# Altium PCB EA08AI测试板.PcbDoc (part 1 of 2) (continued)
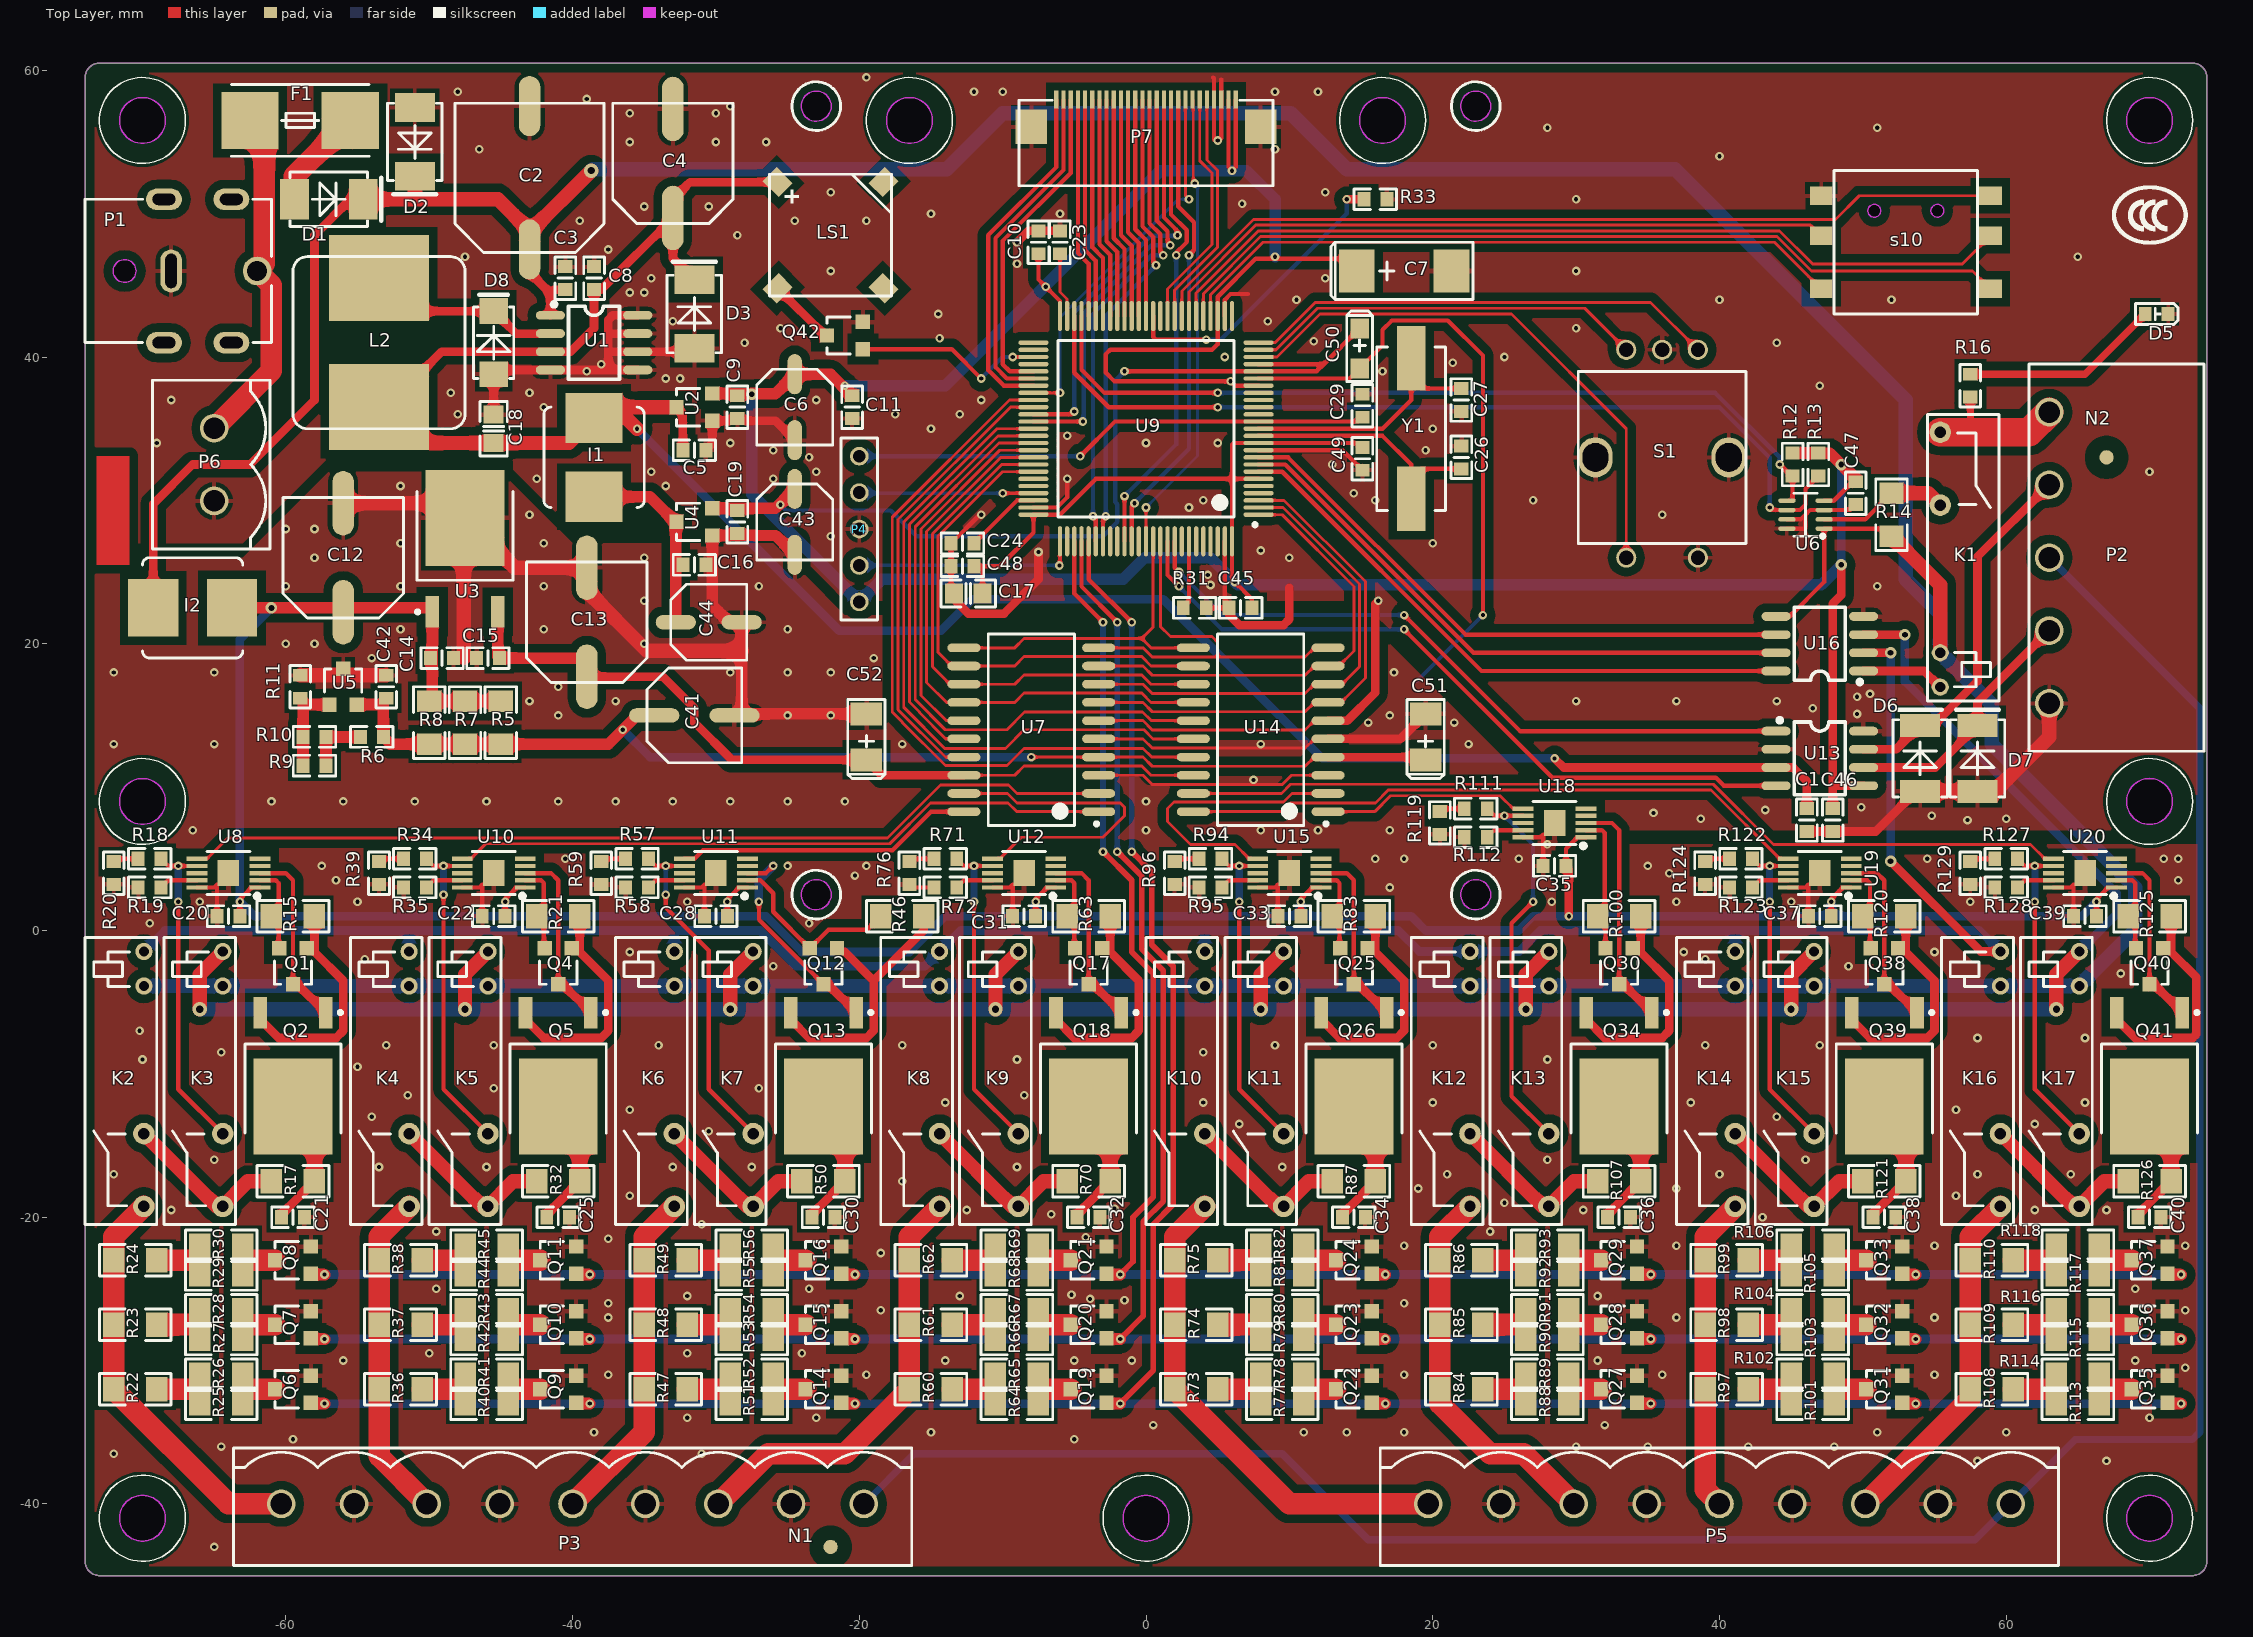
[diagram p0: Top Layer view]
## Components (designator, comment, footprint, x,y, rotation, side; value= is the part's Value field where it differs from the comment) (continued)
R106 "NC" R-1206 46.5,-22 r180 top
R107 "15" R-1206 33,-17.5 r180 top
R108 "0" R-1206 59,-32 r180 top
R109 "0" R-1206 59,-27.5 r180 top
R110 "0" R-1206 59,-23 r180 top
R111 "4.99K" R-0603 23,8.5 r180 top
R112 "1K" R-0603 23,6.5 r180 top
R113 "100" R-1206 65,-33 r180 top
R114 "NC" R-1206 65,-31 r180 top
R115 "100" R-1206 65,-28.5 r180 top
R116 "NC" R-1206 65,-26.5 r180 top
R117 "100" R-1206 65,-24 r180 top
R118 "NC" R-1206 65,-22 r180 top
R119 "10R" R-0603 20.5,7.5 r270 top
R120 "15" R-1206 51.5,1 r0 top
R121 "15" R-1206 51.5,-17.5 r180 top
R122 "4.99K" R-0603 41.5,5 r180 top
R123 "1K" R-0603 41.5,3 r180 top
R124 "10R" R-0603 39,4 r270 top
R125 "15" R-1206 70,1 r0 top
R126 "15" R-1206 70,-17.5 r180 top
R127 "4.99K" R-0603 60,5 r180 top
R128 "1K" R-0603 60,3 r180 top
R129 "10R" R-0603 57.5,4 r270 top
S1 "EC11M" EC11M 36,33 r180 top
s10 "TS-007" TS-007 53,48 r0 top
U1 "XL1509-5.0" SOP-8-m -38.5,41 r270 top
U2 "ME6206A33M3G" SOT-23 -31.5,36.5 r0 top
U3 "78M12" TO-252 -47.5,25.5 r0 top
U4 "ME6206A33M3G" SOT-23 -31.5,28.5 r0 top
U5 "TL431" SOT-23 -56,17 r270 top
U6 "INA219AIDCNR" SOT-23-8-N 46,29 r0 top
U7 "TLC7226IDW" SOP-20 -8,14 r90 top
U8 "XTR111AIDGQR" MSOP-10(11)-M -64,4 r90 top
U9 "STM32F407VET6" LQFP100 0,35 r180 top
U10 "XTR111AIDGQR" MSOP-10(11)-M -45.5,4 r90 top
U11 "XTR111AIDGQR" MSOP-10(11)-M -30,4 r90 top
U12 "XTR111AIDGQR" MSOP-10(11)-M -8.5,4 r90 top
U13 "TJA1051T/3" SOP-8-M 47,12 r270 top
U14 "TLC7226IDW" SOP-20 8,14 r90 top
U15 "XTR111AIDGQR" MSOP-10(11)-M 10,4 r90 top
U16 "ULN2001D" SOP-8-M 47,20 r90 top
U18 "XTR111AIDGQR" MSOP-10(11)-M 28.5,7.5 r90 top
U19 "XTR111AIDGQR" MSOP-10(11)-M 47,4 r90 top
U20 "XTR111AIDGQR" MSOP-10(11)-M 65.5,4 r90 top
Y1 "8M" HC-49SMD 18.5,35 r270 top

## Footprints (in the part's own frame and the unit in brackets; to place one, negate y for a bottom-side part, rotate by r counter-clockwise, add the part's x,y. Pads: shape width x height; smd on the part's side, far side on the other; paste and mask are expansions set on the pad)
C-0603 [mm]
  rect 0.9x1 smd: 1(-0.8,0) 2(0.8,0)
  silkscreen extent -1.48,-0.72 1.48,0.72, body extent -0.8,-0.4 0.8,0.4, height 0.6
C-0805 [mm]
  rect 1.25x1.4 smd: 1(-1,0) 2(1,0)
  silkscreen extent -1.9,-0.95 1.9,0.95, body extent -1,-0.6 1,0.6, height 0.95
C-3216 [mm]
  rect 1.4x1.3 smd: 1(1.4,0) 2(-1.4,0)
  silkscreen extent -2.3,-0.9 2.6,0.9, body extent -1.6,-0.8 1.6,0.8, height 1.61
C-3528 [mm]
  rect 1.6x2.2 smd: 1(1.6,0) 2(-1.6,0)
  silkscreen extent -2.6,-1.3 2.9,1.3, body extent -1.75,-1.4 1.75,1.4, height 1.91
C-7343 [mm]
  rect 2.5x3 smd: 1(3.3,0) 2(-3.3,0)
  silkscreen extent -4.8,-2 5.1,2, body extent -3.65,-2.15 3.65,2.15, height 2.8
CDRH74R [mm]
  rect 4x3.5 smd: 1(0,2.75) 2(0,-2.75)
  silkscreen extent -3.5,-3.5 3.5,3.5, body extent -3.5,-3.5 3.56,3.51, height 4.1
CDRH127R [mm]
  rect 6x7 smd: 1(-4.5,0) 2(4.5,0)
  silkscreen extent -6,-6 6,6, body extent -6,-6 6,6, height 7
DC-007B [mm]
  round 2 / inner round 2 / far side round 2.5 hole 1.4: 1(0,-12)
  oval 3x1.5 / inner oval 3x2 / far side oval 3.5x2 hole 0.8 slot 2.4 at 0 deg: 2(0,-6)
  oval 1.5x2.5 / inner oval 1.5x2.5 / far side oval 2x3 hole 0.8 slot 1.6 at 90 deg: 3(-5,-5.5) 3(-5,-10.2) 3(5,-5.5) 3(5,-10.2)
  Keep-Out Layer circle w0.1: c0,-2.75 r0.8
  Keep-Out Layer board cut-out: 0,-3.55 -0.306,-3.489 -0.566,-3.316 -0.739,-3.056 -0.8,-2.75 -0.8,-2.75 -0.739,-2.444 -0.566,-2.184 -0.306,-2.011 0,-1.95 0,-1.95 0.306,-2.011 0.566,-2.184 0.739,-2.444 0.8,-2.75 0.8,-2.75 0.739,-3.056 0.566,-3.316 0.306,-3.489 0,-3.55
  silkscreen extent -5,-13 5,0, body extent -5,-13 5,0, height 10
EC11M [mm]
  round 1.4 / inner round 1.4 / far side round 1.8 hole 1: 1(0,-7.5) 2(-2.5,-7.5) 3(2.5,-7.5) 4(2.5,7) 5(-2.5,7)
  oval 2.4x2.8 / inner oval 2.4x2.8 / far side oval 2.8x3.2 hole 1.8 slot 2 at 90 deg: 6(-4.65,0) 6(4.65,0)
  silkscreen extent -5.85,-6 5.85,6
FPC-0.5mm_26P下接翻盖 [mm]
  rect 0.3x1.25 smd: 1(-6.25,-0.95) 2(-5.75,-0.95) 3(-5.25,-0.95) 4(-4.75,-0.95) 5(-4.25,-0.95) 6(-3.75,-0.95) 7(-3.25,-0.95) 8(-2.75,-0.95) 9(-2.25,-0.95) 10(-1.75,-0.95) 11(-1.25,-0.95) 12(-0.75,-0.95) 13(-0.25,-0.95) 14(0.25,-0.95) 15(0.75,-0.95) 16(1.25,-0.95) 17(1.75,-0.95) 18(2.25,-0.95) 19(2.75,-0.95) 20(3.25,-0.95) 21(3.75,-0.95) 22(4.25,-0.95) 23(4.75,-0.95) 24(5.25,-0.95) 25(5.75,-0.95) 26(6.25,-0.95)
  rect 2.2x2.4 smd: 27(8,0.95) 28(-8,0.95)
  silkscreen extent -8.85,-0.91 8.85,5.05
FUSE-1808保险丝座 [mm]
  rect 4x4 smd: 1(-3.5,0) 2(3.5,0)
  silkscreen extent -4.8,-2.5 4.8,2.5, body extent -3,-1.3 3,1.3, height 2.6
HC-49SMD [mm]
  rect 4.5x2 smd: 1(-4.9,0) 2(4.9,0)
  silkscreen extent -5.7,-2.4 5.7,2.4, body extent -6.7,-2.46 6.7,2.44, height 4
HDR1X5 [mm] "Connector; Header; 5 Position"
  round 1.3 / inner round 1.6 / far side round 1.6 hole 0.9: 1(-5.08,0) 2(-2.54,0) 3(0,0) 4(2.54,0) 5(5.08,0)
  silkscreen extent -6.35,-1.27 6.35,1.27, body extent -6.35,-1.27 6.35,1.27, height 10.12
HF49FD-D24-1H11 [mm]
  round 1.2 / inner round 1.6 / far side round 1.6 hole 0.7: 1(-9.03,1.6) 2(-6.63,1.6)
  round 1.5 / inner round 2 / far side round 2 hole 0.8: 3(3.67,1.6) 4(8.75,1.6)
  silkscreen extent -10,-2.5 10,2.5, body extent -10,-2.5 10,2.5, height 12.7
KF2EDGVC-5.08-2P [mm]
  round 2 / inner round 3 / far side round 3 hole 1.5: 1(-2.54,0) 2(2.54,0)
  silkscreen extent -5.88,-4.3 5.88,3.9, body extent -5.7,-4.7 5.7,3.8, height 12.01
KF2EDGVC-5.08-5P弯针 [mm]
  round 2 / inner round 3 / far side round 3 hole 1.5: 1(-10.16,0) 2(-5.08,0) 3(0,0) 4(5.08,0) 5(10.16,0)
  silkscreen extent -13.5,-10.8 13.5,1.4, body extent -13.7,-10.6 13.7,1.4, height 8.6
KF2EDGVC-5.08-9P [mm]
  round 2 / inner round 3 / far side round 3 hole 1.5: 1(-20.32,0) 2(-15.24,0) 3(-10.16,0) 4(-5.08,0) 5(0,0) 6(5.08,0) 7(10.16,0) 8(15.24,0) 9(20.32,0)
  silkscreen extent -23.66,-4.3 23.66,3.9, body extent -23.86,-4.7 23.86,3.9, height 12
LED-0603-GREEN [mm]
  rect 0.9x1 smd: 1(0.8,0) 2(-0.8,0)
  silkscreen extent -1.48,-0.72 1.48,0.72, body extent -0.81,-0.4 0.81,0.4, height 0.6
LQFP100 [mm]
  oval 2.1x0.3 smd: 1(-7.854,6) 2(-7.854,5.5) 3(-7.854,5) 4(-7.854,4.5) 5(-7.854,4) 6(-7.854,3.5) 7(-7.854,3) 8(-7.854,2.5) 9(-7.854,2) 10(-7.854,1.5) 11(-7.854,1) 12(-7.854,0.5) 13(-7.854,0) 14(-7.854,-0.5) 15(-7.854,-1) 16(-7.854,-1.5) 17(-7.854,-2) 18(-7.854,-2.5) 19(-7.854,-3) 20(-7.854,-3.5) 21(-7.854,-4) 22(-7.854,-4.5) 23(-7.854,-5) 24(-7.854,-5.5) 25(-7.854,-6) 51(7.854,-6) 52(7.854,-5.5) 53(7.854,-5) 54(7.854,-4.5) 55(7.854,-4) 56(7.854,-3.5) 57(7.854,-3) 58(7.854,-2.5) 59(7.854,-2) 60(7.854,-1.5) 61(7.854,-1) 62(7.854,-0.5) 63(7.854,0) 64(7.854,0.5) 65(7.854,1) 66(7.854,1.5) 67(7.854,2) 68(7.854,2.5) 69(7.854,3) 70(7.854,3.5) 71(7.854,4) 72(7.854,4.5) 73(7.854,5) 74(7.854,5.5) 75(7.854,6)
  oval 0.3x2.1 smd: 26(-6,-7.854) 27(-5.5,-7.854) 28(-5,-7.854) 29(-4.5,-7.854) 30(-4,-7.854) 31(-3.5,-7.854) 32(-3,-7.854) 33(-2.5,-7.854) 34(-2,-7.854) 35(-1.5,-7.854) 36(-1,-7.854) 37(-0.5,-7.854) 38(0,-7.854) 39(0.5,-7.854) 40(1,-7.854) 41(1.5,-7.854) 42(2,-7.854) 43(2.5,-7.854) 44(3,-7.854) 45(3.5,-7.854) 46(4,-7.854) 47(4.5,-7.854) 48(5,-7.854) 49(5.5,-7.854) 50(6,-7.854) 76(6,7.854) 77(5.5,7.854) 78(5,7.854) 79(4.5,7.854) 80(4,7.854) 81(3.5,7.854) 82(3,7.854) 83(2.5,7.854) 84(2,7.854) 85(1.5,7.854) 86(1,7.854) 87(0.5,7.854) 88(0,7.854) 89(-0.5,7.854) 90(-1,7.854) 91(-1.5,7.854) 92(-2,7.854) 93(-2.5,7.854) 94(-3,7.854) 95(-3.5,7.854) 96(-4,7.854) 97(-4.5,7.854) 98(-5,7.854) 99(-5.5,7.854) 100(-6,7.854)
  silkscreen extent -7.73,-6.15 6.15,6.82, body extent -8,-8 8,8, height 1.6
MARK-1mm-3mm [mm]
  round 1 smd paste-0.6 mask+1: 1(0,0)
  Top Layer pour cut-out: -1.5,0 -1.386,-0.574 -1.061,-1.061 -0.574,-1.386 0,-1.5 0,-1.5 0.574,-1.386 1.061,-1.061 1.386,-0.574 1.5,0 1.5,0 1.386,0.574 1.061,1.061 0.574,1.386 0,1.5 0,1.5 -0.574,1.386 -1.061,1.061 -1.386,0.574 -1.5,0
MSOP-10(11)-M [mm]
  rect 0.3x1.45 smd: 1(-1,-2.2) 2(-0.5,-2.2) 3(0,-2.2) 4(0.5,-2.2) 5(1,-2.2) 6(1,2.2) 7(0.5,2.2) 8(0,2.2) 9(-0.5,2.2) 10(-1,2.2)
  rect 1.8x1.5 smd: 11(0,0)
  silkscreen extent -1.9,-2.3 1.5,1.5, body extent -1.5,-2.51 1.5,2.51, height 1.05
R-0603 [mm]
  rect 0.9x1 smd: 1(-0.8,0) 2(0.8,0)
  silkscreen extent -1.48,-0.72 1.48,0.72, body extent -0.8,-0.4 0.8,0.4, height 0.45
R-1206 [mm]
  rect 1.5x1.7 smd: 1(-1.5,0) 2(1.5,0)
  silkscreen extent -2.5,-1.1 2.5,1.1, body extent -1.6,-0.8 1.6,0.8, height 0.6
SMA [mm]
  rect 1.8x2 smd: 1(2.2,0) 2(-2.2,0)
  silkscreen extent -3.35,-1.4 2.5,1.4, body extent -2.75,-1.4 2.75,1.4, height 2.6
SMB [mm]
  rect 2x2.8 smd: 1(2.4,0) 2(-2.4,0)
  silkscreen extent -3.65,-1.9 2.7,1.9, body extent -2.75,-1.95 2.75,1.95, height 2.45
SMB-N [mm]
  rect 1.6x2.8 smd: 1(2.3,0) 2(-2.3,0)
  silkscreen extent -3.4,-1.9 2.7,1.9, body extent -2.75,-1.95 2.75,1.95, height 2.45
SOP-8-m [mil]
  oval 24x80 smd: 1(-75,-120) 2(-25,-120) 3(25,-120) 4(75,-120) 5(75,120) 6(25,120) 7(-25,120) 8(-75,120)
  silkscreen extent -111,-116 100,70, body extent -96,-118 96,118, height 67
SOP-8-M [mil]
  oval 24x80 smd: 1(-75,-120) 2(-25,-120) 3(25,-120) 4(75,-120) 5(75,120) 6(25,120) 7(-25,120) 8(-75,120)
  silkscreen extent -111,-116 100,70, body extent -96,-118 96,118, height 67
SOP-20 [mm]
  oval 0.6x2.3 smd: 1(-5.715,-4.7) 2(-4.445,-4.7) 3(-3.175,-4.7) 4(-1.905,-4.7) 5(-0.635,-4.7) 6(0.635,-4.7) 7(1.905,-4.7) 8(3.175,-4.7) 9(4.445,-4.7) 10(5.715,-4.7) 11(5.715,4.7) 12(4.445,4.7) 13(3.175,4.7) 14(1.905,4.7) 15(0.635,4.7) 16(-0.635,4.7) 17(-1.905,4.7) 18(-3.175,4.7) 19(-4.445,4.7) 20(-5.715,4.7)
  silkscreen extent -6.69,-4.67 6.68,3, body extent -6.5,-5.17 6.5,5.17, height 2.8
SOT-23 [mm]
  rect 1x1 smd: 1(1.25,-0.95) 2(1.25,0.95) 3(-1.25,0)
  silkscreen extent -1.25,-1.3 0.38,1.3, body extent -1.4,-1.45 1.4,1.45, height 1.2
SOT-23-8-N [mm]
  oval 1.2x0.32 smd: 1(1.3,-0.975) 2(1.3,-0.325) 3(1.3,0.325) 4(1.3,0.975) 5(-1.3,0.975) 6(-1.3,0.325) 7(-1.3,-0.325) 8(-1.3,-0.975)
  silkscreen extent -0.8,-1.6 1.3,1.5, body extent -1.4,-1.47 1.4,1.47, height 1.2
TO-252 [mm]
  rect 0.95x2.2 smd: 1(-2.28,-3.275) 3(2.28,-3.275)
  rect 5.5x6.7 smd: 2(0,3.275)
  silkscreen extent -3.43,-3.4 3.35,5.13, body extent -3.27,-3.77 3.27,6.16, height 2.39
TS-007 [mm]
  rect 1.6x1.3 smd: 1(-5.9,3.25) 2(-5.9,0.45) 3(-5.9,-3.25) 4(5.9,-3.25) 5(5.9,0.45) 6(5.9,3.25)
  Keep-Out Layer circle w0.1: c-2.2,2.2 r0.45
  Keep-Out Layer circle w0.1: c2.2,2.2 r0.45
  Keep-Out Layer board cut-out: -2.2,1.75 -2.372,1.784 -2.518,1.882 -2.616,2.028 -2.65,2.2 -2.65,2.2 -2.616,2.372 -2.518,2.518 -2.372,2.616 -2.2,2.65 -2.2,2.65 -2.028,2.616 -1.882,2.518 -1.784,2.372 -1.75,2.2 -1.75,2.2 -1.784,2.028 -1.882,1.882 -2.028,1.784 -2.2,1.75
  Keep-Out Layer board cut-out: 2.2,1.75 2.028,1.784 1.882,1.882 1.784,2.028 1.75,2.2 1.75,2.2 1.784,2.372 1.882,2.518 2.028,2.616 2.2,2.65 2.2,2.65 2.372,2.616 2.518,2.518 2.616,2.372 2.65,2.2 2.65,2.2 2.616,2.028 2.518,1.882 2.372,1.784 2.2,1.75
  silkscreen extent -5,-5 5,5
"蜂鸣器 YH-8503-A" [mm]
  rect 1.6x1.4 smd rot 45: 1(-3.7,-3.7) 3(3.7,3.7)
  rect 1.6x1.4 smd rot 135: 2(3.7,-3.7) 4(-3.7,3.7)
  silkscreen extent -4.25,-4.25 4.25,4.25, body extent -4.25,-4.25 4.25,4.25, height 3
贴片固态电容5*5.3 [mm]
  oval 2.8x1 smd: 1(-2.3,0) 2(2.3,0)
  silkscreen extent -2.65,-2.65 2.65,2.65, body extent -2.95,-2.65 2.95,2.65, height 5.42
贴片固态电容6.3*7.7 [mm]
  oval 3.5x1 smd: 1(-2.8,0) 2(2.8,0)
  silkscreen extent -3.3,-3.3 3.3,3.3, body extent -3.5,-3.3 3.5,3.3, height 7.71
贴片固态电容8*10-M [mm]
  oval 4.5x1.5 smd: 1(-3.8,0) 2(3.8,0)
  silkscreen extent -4.2,-4.2 4.2,4.2, body extent -4.95,-4.15 4.95,4.15, height 10.21
贴片固态电容10*10 [mm]
  oval 4.2x1.5 smd: 1(-5,0) 2(5,0)
  silkscreen extent -5.2,-5.2 5.2,5.2, body extent -5.8,-5.15 5.8,5.15, height 10.21

## Part data
C1 C3 C5 C8 C9 C10 C11 C14 C15 C16 C17 C18 C19 C20 C22 C28 C31 C33 C35 C37 C39 C42 C45 C46 C47 C48 C49: library part Cap, "Capacitor"
C2 C12: library part "Cap Pol1", "电解电容"
C4 C6 C7 C13 C41 C43 C44 C50 C51 C52: library part "Cap Pol1", "Polarized Capacitor (Radial)"
C21 C23 C24 C25 C26 C27 C29 C30 C32 C34 C36 C38 C40: library part Cap-0603, "0805"
D1: "SMB"
D2 D3 D6 D7: library part TVS-1, "SMB"
D5: library part LED-0603-Blue
D8: library part SS14, "SMA"
F1: library part "Fuse 1", "Fuse"
I1 I2 L2: library part Inductance3
LS1: library part Bell, "Electrical Bell"
N1 N2: library part 无引脚
P1: library part DC-007B
P2 P4: library part "Header 5", "Header, 5-Pin"
P3 P5: library part "Header 9", "Header, 9-Pin"
P6: library part "Header 2", "Header, 2-Pin"
P7: library part "Header 28", "Header, 28-Pin"
Q1 Q4 Q12 Q17 Q25 Q30 Q38 Q40: library part S8550, "PNP SOT-23"
Q2 Q5 Q13 Q18 Q26 Q34 Q39 Q41: library part AO3401, "SOT-23"
Q6 Q7 Q8 Q9 Q10 Q11 Q14 Q15 Q16 Q19 Q20 Q21 Q22 Q23 Q24 Q27 Q28 Q29 Q31 Q32 Q33 Q35 Q36 Q37: "SOT-23"
R5 R6 R7 R8 R9 R10 R11 R12 R13 R14 R15 R16 R17 R18 R19 R20 R21 R22 R23 R24 R25 R26 R27 R28 R29 R30 R31 R32 R33 R34 R35 R36 R37 R38 R39 R40 R41 R42 R43 R44 R45 R46 R47 R48 R49 R50 R51 R52 R53 R54 R55 R56 R57 R58 R59 R60 R61 R62 R63 R64 R65 R66 R67 R68 R69 R70 R71 R72 R73 R74 R75 R76 R77 R78 R79 R80 R81 R82 R83 R84 R85 R86 R87 R88 R89 R90 R91 R92 R93 R94 R95 R96 R97 R98 R99 R100 R101 R102 R103 R104 R105 R106 R107 R108 R109 R110 R111 R112 R113 R114 R115 R116 R117 R118 R119 R120 R121 R122 R123 R124 R125 R126 R127 R128 R129: library part Res2-0603, "0603"
s10: "五向开关"
U1: library part XL1509-ADJ, "开关电源 SOP-8"
U2 U4: "LDO稳压 SOT-23"
U3: library part 78M05, "TO-252"
U5: "稳压芯片 SOT-23"
U6: "26V、双向、零漂移、低侧/高侧、I2C输出电流/功率监控器"
U8 U10 U11 U12 U15 U18 U19 U20: library part XTR111, "4-20ma输出"
Y1: library part 晶振

## Via types
v1: diameter 0.6, hole 0.3, Top Layer to Bottom Layer, tented both sides, 438 vias
v2: diameter 1, hole 0.5, Top Layer to Bottom Layer, tented both sides, 9 vias
v3: diameter 0.8, hole 0.4, Top Layer to Bottom Layer, tented both sides, 7 vias

## Nets (pads, with @x,y where several pads share a name; then routed paths per layer and width w, separated by ;. In a path a pad name is that pad's centre, name@x,y a point inside that pad or via, vN(x,y) a via of type N, cw(c..) or ccw(c..) an arc to the next point about the centre after c; other vN are vias at no path point)
3.3V: C6.1 C7.1 C9.2 C10.2 C11.2 C17.2 C45.2 C46.2 C47.2 C48.2 C49.2 P4.1 P7.1 P7.2 R12.1 R13.1 U2.2 U6.4 U9.6 U9.11 U9.19 U9.28 U9.50 U9.75 U9.100 U13.5 | length 271.1
  Top Layer w0.3: C48.2@-12,25.4 -10.2,25.4 -7.854,27.746 U9.75@-7.854,29 -6,29 -3.5,31.5 6,31.5 ; C17.2@-11.4,23.5 -11.4,25.2 ; C10.2@-7.5,47.2 -7.5,45.4 -6,43.9 U9.50@-6,42.854 ; P7.2@5.75,57.95 5.75,53.25 v1(6,53) 6.25,53.25 P7.1@6.25,57.95 ; C45.2@7.4,22.5 7.4,23.1 v1(6.2,24.3) 6,24.5 U9.100@6,27.146 6,31.5 ; U9.6@7.854,31.5 6,31.5 ; U9.19@7.854,38 6.2,38 v1(5.9,38.3) -2.2,38.3 -2.8,38.9 -2.8,40.2 -2.5,40.5 4.6,40.5 5,40.9 U9.28@5,42.854 5,44.207 7.646,46.854 13.846,46.854 C7.1@14.7,46 ; C49.2@15.1,33.7 14.8,34 U9.11@7.854,34 6.1,34 6,33.9 6,31.5 ; U6.4@47.3,29.975 47.975,29.975 49.3,31.3 C47.2@49.5,31.3
  Top Layer w0.6: C46.2@47.9,8.5 47.9,22.8 48.5,23.4 v3(48.5,25.5) ; 48.005,10.095 U13.5@50.048,10.095
  Top Layer w0.8: U2.2@-30.25,37.45 -25.85,37.45 C6.1@-24.5,38.8 -22,38.8 C11.2@-20.5,37.3 ; R12.1@45.1,33.3 R13.1@46.9,33.3 47.7,33.3 v3(48.5,32.5) 49.5,31.5 C47.2@49.5,31.3
  Bottom Layer w0.6: v3(48.5,25.5) v3(48.5,32.5)
  Bottom Layer w0.8: v3(-27.5,37.4) -27.5,30.42 P4.1@-20,22.92 -18.42,24.5 -1.6,24.5 -0.1,26 4.5,26 v1(6.2,24.3) 6.4,24.1 47.1,24.1 v3(48.5,25.5) ; v1(-21,38) -14,38 1,53 v1(6,53) 7,53 9,51 v1(9,47)
  other v1: -7,44.9
5V: C1.2 C4.1 C5.2 C8.2 C18.2 D3.2 I1.2 L2.2 LS1.1 U1.3 U2.3 U13.3 | length 166.4
  Top Layer w0.6: L2.2@-53.5,36.5 -53,36.5 -49.135,40.365 U1.3@-41.548,40.365 -40.135,40.365 -38.5,42 C8.2@-38.5,44.7 -38,44.7 C4.1@-33,49.7 ; U2.3@-32.75,36.5 -32.3,36.05 C5.2@-32.3,33.5 ; D3.2@-31.5,45.4 -33,46.9 C4.1@-33,49.7 ; LS1.1@-25.7,52.2 -31.8,52.2 -33,51 C4.1@-33,49.7 ; v1(28.5,12) 29.135,11.365 U13.3@43.952,11.365 45.135,11.365 46.1,10.4 C1.2@46.1,8.5
  Top Layer w1: L2.2@-53.5,36.5 -51,34 C18.2@-45.5,34 -40.25,34 I1.2@-38.5,35.75 ; v1(-35.5,35) -36.25,35.75 I1.2@-38.5,35.75 ; U2.3@-32.75,36.5 -37.75,36.5 I1.2@-38.5,35.75
  Bottom Layer w0.6: v1(-35.5,35) -21.4,20.9 -14.3,20.9 -12.1,23.1 1.2,23.1 12.3,12 v1(28.5,12)
24V: C2.1 C3.2 D1.2 D2.2 I2.1 K1.2 K2.2 K3.2 K4.2 K5.2 K6.2 K7.2 K8.2 K9.2 K10.2 K11.2 K12.2 K13.2 K14.2 K15.2 K16.2 K17.2 R14.2 U1.1 U6.1 U16.5 | length 373.1
  Top Layer w0.3: U16.5@43.952,21.905 44.905,21.905 47.3,24.3 U6.1@47.3,28.025 51.475,28.025 R14.2@51.738,27.762
  Top Layer w0.6: I2.1@-69.25,22.5 -69.25,29.75 -66.5,32.5 -62.5,32.5 -58,37 -58,48.5 -55.5,51 D1.2@-54.6,51 ; C2.1@-43,47.5 -43,45.9 -41.548,44.448 ; U1.1@-41.548,42.905 -41.548,44.448 ; C3.2@-40.5,44.7 -41.296,44.7 -41.548,44.448
  Top Layer w1: D1.2@-54.6,51 -45.2,51 -43,48.8 C2.1@-43,48.7 ; -51,51.1 D2.2@-51,52.6 ; C2.1@-43,47.5 C2.1@-43,48.7 ; v2(-38.7,53) C2.1@-43,48.7 ; R14.2@52,27.5 55.4,24.1 K1.2@55.4,19.37
  Bottom Layer w1: K2.2@-69.9,-3.87 K3.2@-64.4,-3.87 K4.2@-51.4,-3.87 K5.2@-45.9,-3.87 K6.2@-32.9,-3.87 K7.2@-27.4,-3.87 K8.2@-14.4,-3.87 K9.2@-8.9,-3.87 K10.2@4.1,-3.87 K11.2@9.6,-3.87 K12.2@22.6,-3.87 K13.2@28.1,-3.87 K14.2@41.1,-3.87 K15.2@46.6,-3.87 K16.2@59.6,-3.87 K17.2@65.1,-3.87 69,0.03 69,3 59,13 59,15.77 K1.2@55.4,19.37 55.4,22.1 53,24.5 53,37 36.9,53.1 14,53.1 10.1,57 -10,57 -13.9,53.1 -38.6,53.1 v2(-38.7,53)
24V电源使能: U9.7 U16.8 | length 41.9
  Top Layer w0.3: U9.7@7.854,32 9.5,32 23.405,18.095 U16.8@43.952,18.095
A0: U7.17 U9.60 | length 32.9
  Top Layer w0.2: U7.17@-11.8,12.15 -11.8,12.095 U7.17@-12.7,12.095 -13.995,12.095 -17.3,15.4 -17.3,28.66 -9.46,36.5 U9.60@-7.854,36.5
A1: U7.16 U9.64 | length 29.4
  Top Layer w0.2: U7.16@-11.8,13.42 -11.8,13.365 U7.16@-12.7,13.365 -13.965,13.365 -15.8,15.2 -15.8,15.234 -16.5,15.934 -16.5,28.328 -10.328,34.5 U9.64@-7.854,34.5
A3: U9.59 U14.17 | length 50.1
  Top Layer w0.2: U9.59@-7.854,37 -9.525,37 -17.7,28.825 -17.7,15.234 -17,14.534 -17,14.5 -13.995,11.495 -9.705,11.495 -8.5,12.7 -0.2,12.7 0.405,12.095 U14.17@3.3,12.095
A3.3V: C19.2 C43.1 C50.1 U4.2 U9.21 U9.22 | length 64.2
  Top Layer w0.3: v1(-1.5,39) U9.21@7.854,39 11.9,39 12.4,39.5 ; U9.22@7.854,39.5 12.4,39.5 ; C50.1@14.9,42 12.4,39.5
  Top Layer w0.8: U4.2@-30.25,29.45 -25.85,29.45 C43.1@-24.5,30.8
  Bottom Layer w0.3: v1(-25.5,29.7) -25.1,29.3 -17.8,29.3 -16,27.5 -3,27.5 -2,28.5 -2,29.731 -2.15,29.881 -2.15,38.35 v1(-1.5,39)
A4: U9.63 U14.16 | length 46.9
  Top Layer w0.2: U9.63@-7.854,35 -10.394,35 -16.9,28.494 -16.9,15.566 -14.034,12.7 -9.8,12.7 -8.5,14 -0.141,14 0.494,13.365 U14.16@3.3,13.365
A12V: C13.1 C15.2 C52.1 U3.3 U7.18 U14.18 | length 55.2
  Top Layer w0.2: U7.18@-12.7,10.825 -9.155,10.825 -8.5,11.48 -0.3,11.48 0.355,10.825 U14.18@3.3,10.825
  Top Layer w0.6: C13.1@-39,17.7 -33.7,17.7 -31.5,15.5 -31.5,14.5 -28.9,11.9 C52.1@-19.5,11.9 -18.425,10.825 U7.18@-12.7,10.825
  Top Layer w0.8: U3.3@-45.22,22.225 -45.22,19.12 C15.2@-45.1,19 C13.1@-39.5,19
A24V: C12.1 C14.2 C20.2 C22.2 C28.2 C31.2 C33.2 C35.2 C37.2 C39.2 I2.2 R5.2 R7.2 R8.2 U3.1 U8.1 U10.1 U11.1 U12.1 U15.1 U18.1 U19.1 U20.1 | length 211.6
  Top Layer w0.3: C20.2@-63.2,1 -63.2,2.2 -62.4,3 U8.1@-61.8,3 ; C22.2@-44.7,1 -44.7,2.2 -43.9,3 U10.1@-43.3,3 ; C28.2@-29.2,1 -29.2,2.2 -28.4,3 U11.1@-27.8,3 ; C31.2@-7.7,1 -7.7,2.2 -6.9,3 U12.1@-6.3,3 ; C33.2@10.8,1 10.8,2.2 11.6,3 U15.1@12.2,3 ; C35.2@29.3,4.5 29.3,5.7 30.1,6.5 U18.1@30.7,6.5 ; C37.2@47.8,1 47.8,2.2 48.6,3 U19.1@49.2,3 ; C39.2@66.3,1 66.3,2.2 67.1,3 U20.1@67.7,3
  Top Layer w0.6: v1(29.5,1) C35.2@29.5,4.3
  Top Layer w0.8: I2.2@-63.75,22.5 -50.055,22.5 U3.1@-49.78,22.225 -49.78,16.22 R8.2@-50,16 R5.2@-45,16
  Bottom Layer w0.6: v3(-61,22.5) -63.2,20.3 v1(-63.2,2) -62.2,1 -26.5,1 -24,-1.5 -16.5,-1.5 -14,1 -7.7,1 ; -44.7,1.1 v1(-44.7,2) ; -29.2,1.1 v1(-29.2,2) ; v1(-7.7,2) -7.7,1 ; v1(10.8,2) 10.8,1 ; v1(47.8,2) 47.8,1 ; v1(66.3,2) 65.3,1 47.8,1 ; -7.7,1 10.8,1 ; 10.8,1 18.5,1 19.5,0 26,0 27,1 v1(29.5,1) 47.8,1
AGND: C12.2 C13.2 C14.1 C15.1 C16.1 C19.1 C20.1 C21.2 C22.1 C25.2 C28.1 C30.2 C31.1 C32.2 C33.1 C34.2 C35.1 C36.2 C37.1 C38.2 C39.1 C40.2 C41.2 C42.1 C43.2 C44.2 C50.2 C51.2 C52.2 P3.2 P3.4 P3.6 P3.8 P5.2 P5.4 P5.6 P5.8 Q6.2 Q7.2 Q8.2 Q9.2 Q10.2 Q11.2 Q14.2 Q15.2 Q16.2 Q19.2 Q20.2 Q21.2 Q22.2 Q23.2 Q24.2 Q27.2 Q28.2 Q29.2 Q31.2 Q32.2 Q33.2 Q35.2 Q36.2 Q37.2 R11.1 R19.2 R20.2 R35.2 R39.2 R58.2 R59.2 R72.2 R76.2 R95.2 R96.2 R112.2 R119.2 R123.2 R124.2 R128.2 R129.2 U3.2 U4.1 U5.3 U7.3 U7.5 U8.10 U8.11 U9.20 U10.10 U10.11 U11.10 U11.11 U12.10 U12.11 U14.3 U14.5 U15.10 U15.11 U18.10 U18.11 U19.10 U19.11 U20.10 U20.11 | length 192.5
  Top Layer w0.2: U7.3@-3.3,10.825 -0.211,10.825 0.434,10.18 9.5,10.18 10.145,10.825 U14.3@12.7,10.825 ; U7.5@-3.3,13.365 -0.211,13.365 0.434,12.72 11.1,12.72 11.745,13.365 U14.5@12.7,13.365
  Top Layer w0.3: U8.10@-66.2,3 -65,3 -64.8,3.2 C20.1@-64.8,1 ; U10.10@-47.7,3 -46.5,3 -46.3,3.2 C22.1@-46.3,1 ; U11.10@-32.2,3 -31,3 -30.8,3.2 C28.1@-30.8,1 ; R76.2@-16.5,3.2 -16.3,3 R72.2@-14.8,3 ; U12.10@-10.7,3 -9.5,3 -9.3,3.2 C31.1@-9.3,1 ; U15.10@7.8,3 9,3 9.2,3.2 C33.1@9.2,1 ; U9.20@7.854,38.5 14.2,38.5 C50.2@14.9,39.2 16.5,40.8 16.5,41.9 17.15,42.55 21.05,42.55 23.5,40.1 v1(23.5,22) ; U18.10@26.3,6.5 27.5,6.5 27.7,6.7 C35.1@27.7,4.5 ; U19.10@44.8,3 46,3 46.2,3.2 C37.1@46.2,1 ; U20.10@63.3,3 64.5,3 64.7,3.2 C39.1@64.7,1
  Top Layer w0.6: U14.5@12.7,13.365 17.765,13.365 C51.2@19.5,15.1
  Top Layer w0.8: C41.2@-28.2,15.1 C52.2@-19.5,15.1 ; -28.2,15.5 -28.2,19.5 C44.2@-28.2,21.5 -29.1,21.5 -30.25,22.65 U4.1@-30.25,27.55 -25.85,27.55 C43.2@-24.5,26.2
  Top Layer w1: R11.1@-59,17.8 C42.1@-53,17.8 ; C12.2@-56,29.8 -48.525,29.8 U3.2@-47.5,28.775 -44.025,25.3 C13.2@-39,25.3 -39,23.7 -34.8,19.5 -28.2,19.5 ; -47.6,19 U3.2@-47.6,28.675
  Bottom Layer w0.3: 18.9,17.4 v1(23.5,22)
  other v1: -65,-43 58,-37 67,-37 -72,-36.5 -31,-36.5 -64.5,-36 30,-36 35,-36 42,-36 48,-36 -59.5,-35.5 -5,-35.5 -38.5,-35 -15,-35 11,-35 14,-35 18,-35 51,-35 60,-35 0.5,-34.5 32,-34.5 -32,-34 -23,-34 70,-34 -37.5,-31 -19.5,-31 18,-31 36,-31 55,-31 72.5,-30.5 -56,-30 -14,-30 -5,-30 -1,-30 31.5,-30 69,-30 -50,-29.5 -32,-29.5 -24,-29.5 -37.5,-27 37,-27 55,-27 -18.5,-26.5 72.5,-26.5 -37.5,-26 18,-26 -1.5,-25.8 -3.9,-25.7 -32,-25.5 -13,-25.5 31.5,-25.5 -5.2,-25.4 -49.5,-25 -23.5,-25 69,-25 -18.5,-22.5 18,-22 37,-22 55,-22 72.5,-22 -37.5,-21.5 -4.2,-21.4 -49.5,-21 24,-21 -31,-20.5 43,-20 -6.6,-19.8 -68,-19.5 -12.5,-19.5 30.5,-19.5 62,-19.5 67,-19.5 -2.2,-19.4 25,-19 -36,-18.5 56.5,-18.5 19,-18 37,-18 -17,-17.5 -72,-17 21,-17 40,-17 58,-17 64.5,-17 -53.5,-16.5 -46,-16.5 -33,-16.5 -27.5,-16.5 -9,-16.5 9.5,-16.5 -65,-16 28,-16 46,-16 -30.5,-14 6.5,-13.5 62,-13.5 -54,-13 44,-13 -36,-12.5 56.5,-12.5 -14,-12 4,-12 20,-12 38,-12 65.5,-12 -51.5,-11.5 -8.5,-11.5 -45.5,-11 -27,-11 -55,-9.5 -70,-9 -9,-9 28,-9 -64.5,-8.5 4,-8.5 -53,-8 -45.5,-8 -34,-8 -17,-8 9,-8 20,-8 39,-8 47,-8 58,-7.5 65.5,-7.5 -70.2,-7 68,-3 -26,-2.5 49,-2.5 -54.5,-2 39,-2 -36,-1.5 37.5,-1.5 55,-1.5 -69.5,0.5 -23.5,0.5 -66,2 -55,2 -32,2 28.3,2 37,2 45,2 57.5,2 17,3 -56.5,3.5 72,3.5 -20.304,3.83 36.5,4 -57.5,4.5 -25,4.5 -19.5,4.5 35,4.5 -40.5,5 16,5 18,5 26,5 54.5,5 71,5 72,5 28,6 -66.5,7 0,7 8,7 12,7 17,7 -61,9 -56,9 -51,9 -46,9 -41,9 -37,9 -33,9 -29,9 -25,9 -21,9 0,9 7.5,10.5 -72,13 -65,13 -17,13 8,13 22.5,13 15.5,14.5 21.5,14.5 -41,15 -25,15 -22,15 17,15 -43,16 -37,16 -41,17 -72,18 -65,18 -29,18 -25,18 -22,18 17.3,18 -54,19 -19,19 -60,20 -58,20 -35,20 -52,21 -42,21 -25,21 -35,23 -60,24 -52,24 -42,24 -27,24 -58,26 -35,26 -52,27 -42,27 -60,28 -58,28 -43,29 -52,31
AO-电压输出使能: U9.9 U16.6 | length 41.2
  Top Layer w0.3: U9.9@7.854,33 9.914,33 22.279,20.635 U16.6@43.952,20.635
AO-输出使能: U9.8 U16.7 | length 41.5
  Top Layer w0.3: U9.8@7.854,32.5 9.707,32.5 22.842,19.365 U16.7@43.952,19.365
CAN-H: D6.2 P2.4 U13.7 | length 25.7
  Top Layer w0.6: U13.7@50.048,12.635 52.335,12.635 D6.2@54,14.3 54.9,14.3 58,17.4 58,26.08 P2.4@63,31.08
CAN-L: D7.2 P2.2 U13.6 | length 17.9
  Top Layer w0.6: U13.6@50.048,11.365 55.065,11.365 D7.2@58,14.3 58,15.92 P2.2@63,20.92
CAN-RXD: U9.91 U13.4 | length 50.9
  Top Layer w0.3: U9.91@1.5,27.146 1.5,24.8 v1(2.3,24) ; v1(18,21) 28.35,10.65 39.752,10.65 40.307,10.095 U13.4@43.952,10.095
  Bottom Layer w0.3: v1(2.3,24) 5.3,21 v1(18,21)
CAN-TXD: U9.92 U13.1 | length 48.5
  Top Layer w0.3: U9.92@2,27.146 2,25.3 v1(2.3,25) ; v1(18,22) 26.095,13.905 U13.1@43.952,13.905
  Bottom Layer w0.3: v1(2.3,25) 5.3,22 v1(18,22)
CS: P7.7 U9.88 | length 32.4
  Top Layer w0.2: U9.88@0,27.146 v1(0,29.5) ; P7.7@3.25,57.95 3.3,57.9 3.3,52.2 v1(3.4,52.1)
  Bottom Layer w0.2: v1(0,29.5) 3.6,33.1 3.6,51.9 v1(3.4,52.1)
D0: P7.11 U9.61 | length 29
  Top Layer w0.3: U9.61@-7.854,36 -5.2,36 v1(-5,36.2) ; P7.11@1.25,57.95 1.25,49.735 v1@2.3,48.685
  Bottom Layer w0.3: v1(-5,36.2) -5,43.114 0.336,48.45 2.15,48.45 v1(2.2,48.5)
D1: P7.12 U9.62 | length 29.6
  Top Layer w0.3: U9.62@-7.854,35.5 v1(-4.4,35.5) ; P7.12@0.75,57.95 0.75,49.528 1.5,48.778 1.5,48 v1(1.7,47.8)
  Bottom Layer w0.3: v1(-4.4,35.5) -4.35,35.55 -4.35,43.057 0.393,47.8 v1(1.7,47.8)
D2: P7.13 U9.81 | length 33.8
  Top Layer w0.3: v1(-3.7,28.9) -3.6,28.9 -3.5,28.8 U9.81@-3.5,27.146 ; P7.13@0.25,57.95 0.25,49.321 1,48.571 1,47.3 v1(1.2,47.1)
  Bottom Layer w0.3: v1(-3.7,28.9) -3.7,43 0.4,47.1 v1(1.2,47.1)
D3: P7.14 U9.82 | length 32.8
  Top Layer w0.3: U9.82@-3,27.146 -3,28.8 -2.9,28.9 v1(-2.8,28.9) ; P7.14@-0.25,57.95 -0.25,49.114 0.5,48.364 0.5,46.6 v1(0.7,46.4)
  Bottom Layer w0.3: v1(-2.8,28.9) -2.8,42.9 v1(0.7,46.4)
D4: P7.15 U9.38 | length 15.4
  Top Layer w0.3: P7.15@-0.75,57.95 -0.75,48.907 0,48.157 U9.38@0,42.854
D5: P7.16 U9.39 | length 15.4
  Top Layer w0.3: P7.16@-1.25,57.95 -1.25,48.7 -0.5,47.95 U9.39@-0.5,42.854
D6: P7.17 U9.40 | length 15.4
  Top Layer w0.3: P7.17@-1.75,57.95 -1.75,48.493 -1,47.743 U9.40@-1,42.854
D7: P7.18 U9.41 | length 15.4
  Top Layer w0.3: P7.18@-2.25,57.95 -2.25,48.286 -1.5,47.536 U9.41@-1.5,42.854
D8: P7.19 U9.42 | length 15.4
  Top Layer w0.3: P7.19@-2.75,57.95 -2.75,48.078 -2,47.328 U9.42@-2,42.854
D9: P7.20 U9.43 | length 15.4
  Top Layer w0.3: P7.20@-3.25,57.95 -3.25,47.871 -2.5,47.121 U9.43@-2.5,42.854
D10: P7.21 U9.44 | length 15.4
  Top Layer w0.3: P7.21@-3.75,57.95 -3.75,47.664 -3,46.914 U9.44@-3,42.854
D11: P7.22 U9.45 | length 15.4
  Top Layer w0.3: P7.22@-4.25,57.95 -4.25,47.457 -3.5,46.707 U9.45@-3.5,42.854
D12: P7.23 U9.46 | length 15.4
  Top Layer w0.3: P7.23@-4.75,57.95 -4.75,47.25 -4,46.5 U9.46@-4,42.854
D13: P7.24 U9.55 | length 22.8
  Top Layer w0.3: U9.55@-7.854,39 -9.5,39 -10,39.5 -10,48.086 -5.25,52.836 P7.24@-5.25,57.95
D14: P7.25 U9.56 | length 23.6
  Top Layer w0.3: U9.56@-7.854,38.5 -9.707,38.5 -10.5,39.293 -10.5,48.293 -5.75,53.043 P7.25@-5.75,57.95
D15: P7.26 U9.57 | length 24.4
  Top Layer w0.3: U9.57@-7.854,38 -9.914,38 -11,39.086 -11,48.5 -6.25,53.25 P7.26@-6.25,57.95
DA1: U7.2 U8.6 | length 65.3
  Top Layer w0.2: U8.6@-66.2,5 -65.5,5 -64.05,6.45 -18.037,6.45 -14.332,10.155 -9.6,10.155 -9,9.555 U7.2@-3.3,9.555
DA2: U7.1 U10.6 | length 46.3
  Top Layer w0.2: U10.6@-47.7,5 -47.1,5 -46.05,6.05 -17.871,6.05 -15.021,8.9 -9.615,8.9 -9,8.285 U7.1@-3.3,8.285
DA3: U7.20 U11.6 | length 20.9
  Top Layer w0.3: U11.6@-32.2,5 -31.5,5 -30.9,5.6 -17.685,5.6 -15,8.285 U7.20@-12.7,8.285
DA4: U7.19 U12.6 | length 22.6
  Top Layer w0.2: U7.19@-12.7,9.555 -9.655,9.555 -9,8.9 -1.8,8.9 -1.5,8.6 -1.5,8 -3,6.5 -8.7,6.5 -10.2,5 U12.6@-10.7,5
DA5: U14.2 U15.6 | length 19.9
  Top Layer w0.2: U15.6@7.8,5 7.2,5 6.2,6 3.1,6 1.5,7.6 1.5,8.5 1.955,8.955 9.589,8.955 10.189,9.555 U14.2@12.7,9.555